# KiCad board GPDI_ULX3S_panel.kicad_pcb (continued)
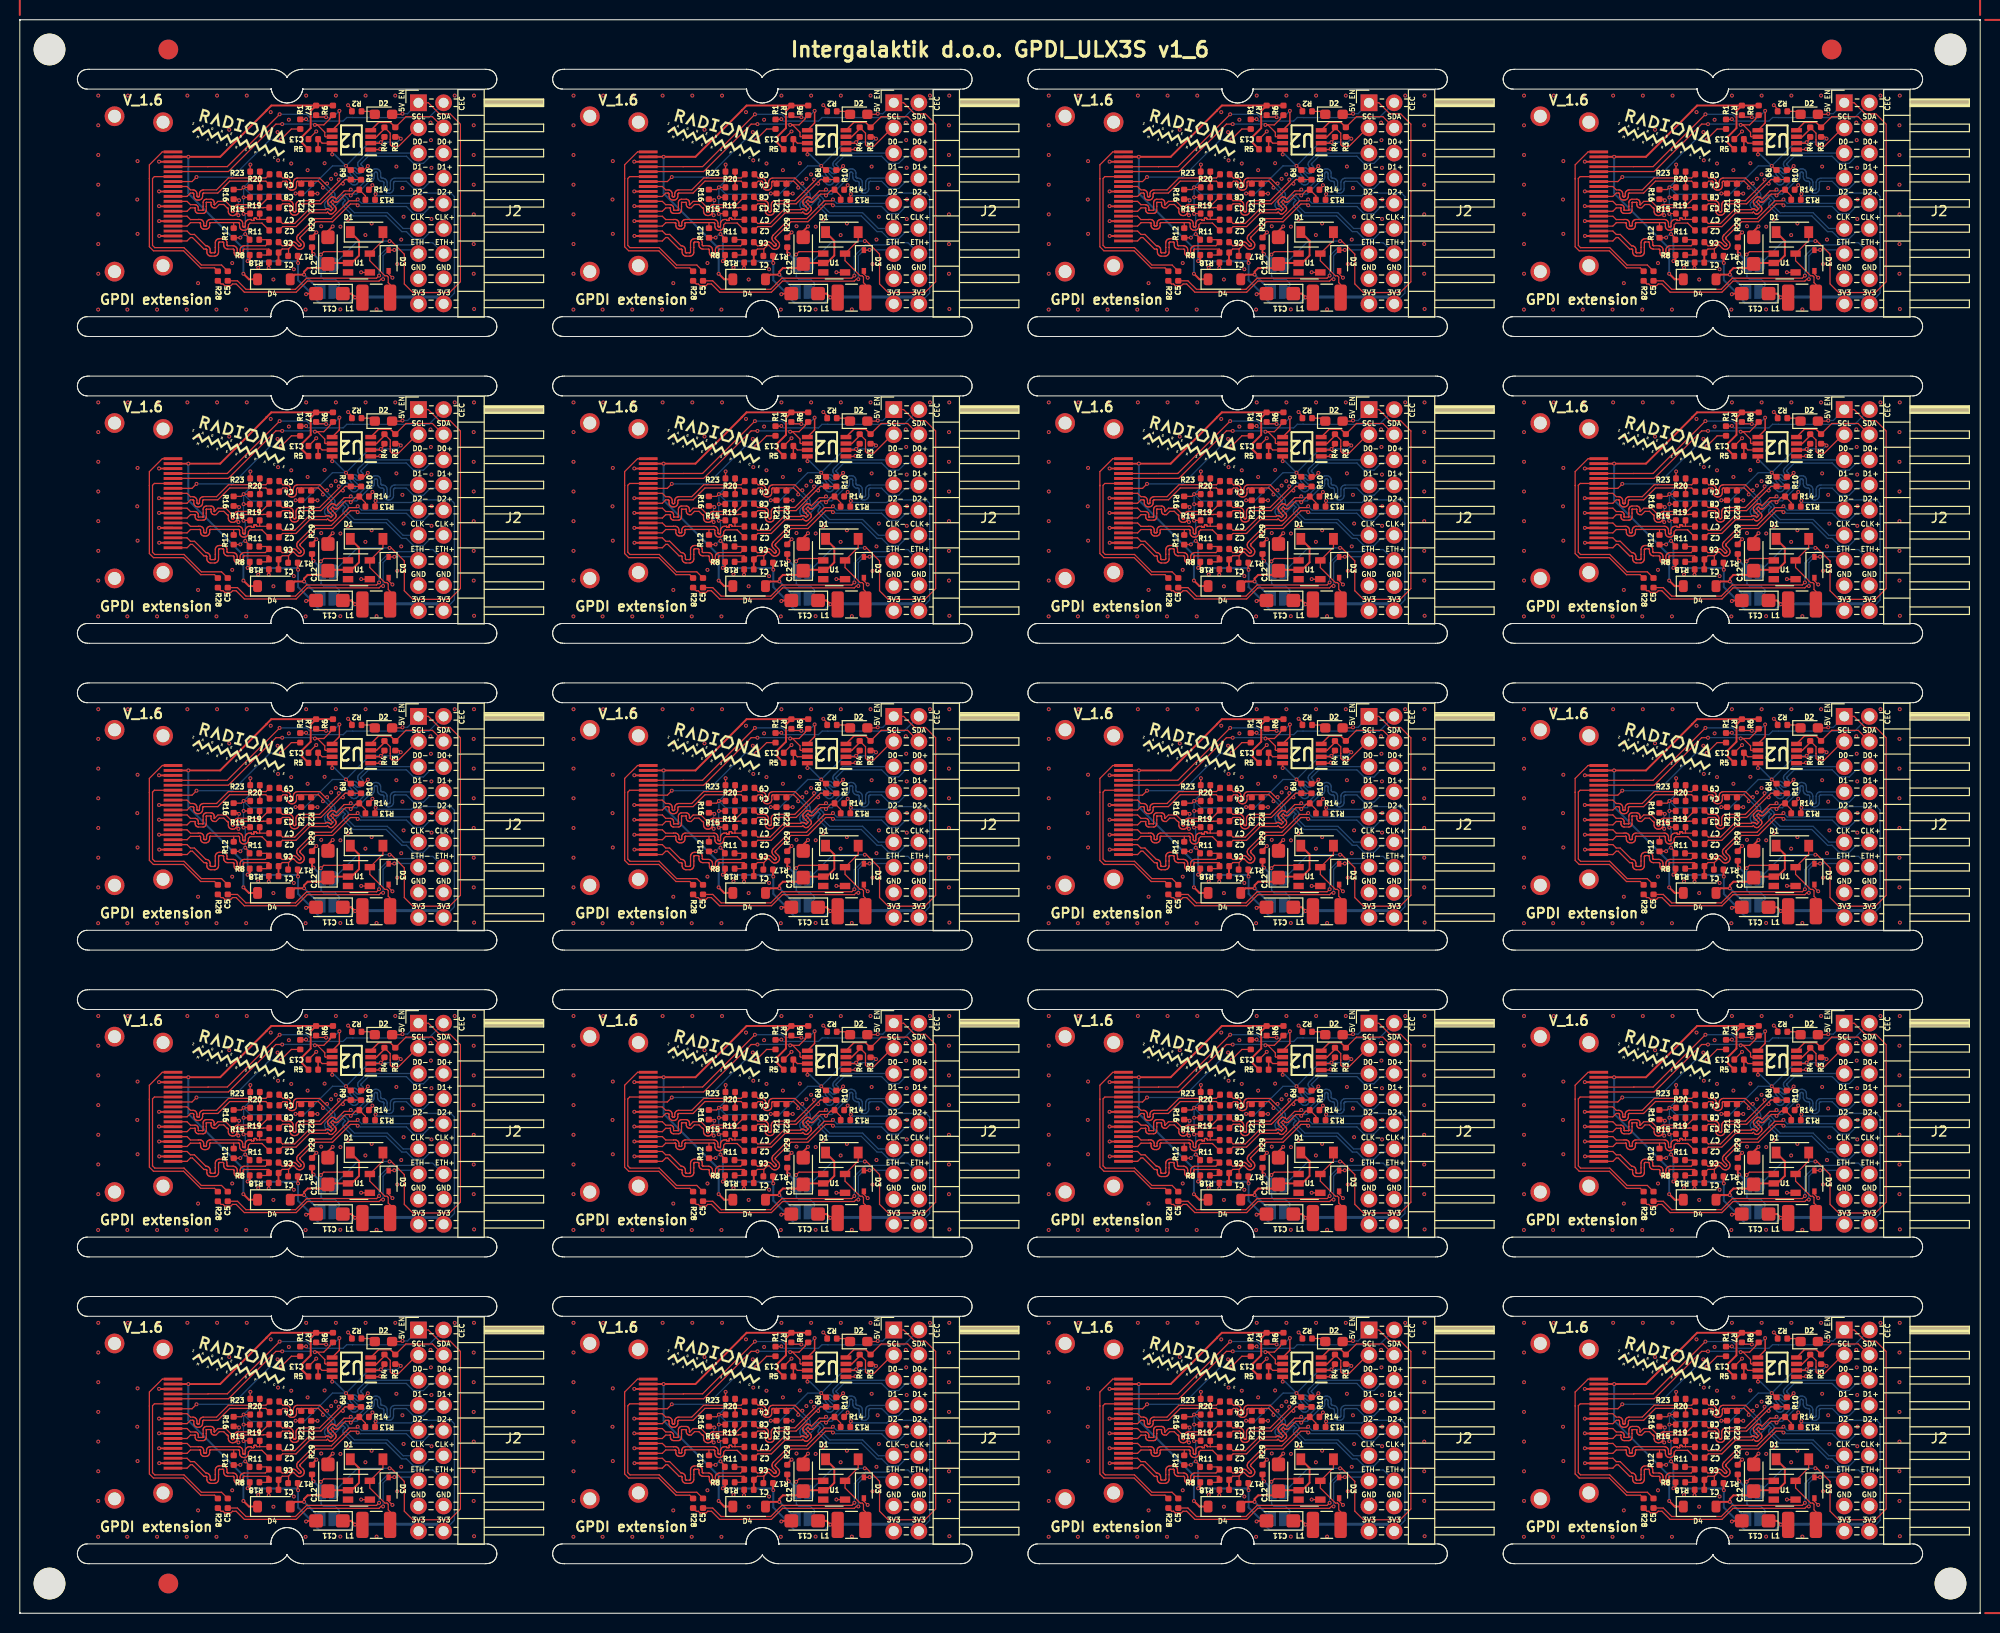
[diagram p0: board, top side]
## Routing (per net, layer and track width the routed paths; a pad name or vN(x,y) marks a point on that pad's centre or on a via; arc(x,y) is an arc through that point) (continued)
Board_3-GPDI_D2+: length 22.7
  Top w0.127: R17#7.2 171.14,137.19 171.14,137.84 ; 171.14,137.84 170.5,137.84 C1#5.1 ; 171.14,137.84 171.49,138.19 171.51,138.21 171.54,138.22 171.57,138.23 171.6,138.23 171.63,138.22 171.66,138.21 171.69,138.19 171.95,137.92 172.03,137.86 172.12,137.82 172.21,137.79 172.31,137.79 172.4,137.82 172.49,137.86 172.57,137.92 172.6,137.96 172.67,138.03 172.71,138.12 172.73,138.21 172.73,138.31 172.71,138.41 172.67,138.49 172.6,138.57 172.34,138.84 172.32,138.86 172.3,138.89 172.3,138.92 172.3,138.95 172.3,138.98 172.32,139.01 172.34,139.04 173.89,140.59 175.59,140.59 177.39,142.39 177.99,142.39 v1(178.12,142.25)
  Top w0.2: C1#5.1 170.13,137.47 R18#20.1
  Bottom w0.127: v1(178.12,142.25) 178.27,142.25 178.38,142.14 183.04,142.14 183.76,141.41 184.76,141.41 185.48,142.14 186.48,142.14 J2#8.10
Board_3-GPDI_D2-: length 17.8
  Top w0.127: v1(178.12,142.85) 177.99,142.71 177.26,142.71 175.46,140.91 173.76,140.91 172.09,139.24 172.03,139.17 171.99,139.08 171.97,138.98 171.97,138.89 171.99,138.79 172.03,138.71 172.09,138.63 172.36,138.36 172.38,138.34 172.39,138.31 172.4,138.28 172.4,138.25 172.39,138.22 172.38,138.19 172.36,138.16 172.34,138.14 172.31,138.13 172.28,138.12 172.25,138.12 172.21,138.13 172.19,138.14 172.16,138.16 171.89,138.43 171.82,138.49 171.73,138.53 171.64,138.56 171.54,138.56 171.44,138.53 171.36,138.49 171.28,138.43 171.01,138.16 170.5,138.16 C6#10.1
  Bottom w0.127: v1(178.12,142.85) 178.52,142.45 J2#8.9
Board_3-GPDI_ETH+: length 25.7
  Top w0.127: v1(180.29,135.15) 180.03,134.89 172.97,134.89 171.84,133.77 166.84,133.77 165.98,134.62 C5#10.1
  Bottom w0.127: v1(180.29,135.15) 180.29,137.13 181.41,138.25 183.65,138.25 183.87,138.47 185.71,138.47 J2#8.14
Board_3-GPDI_ETH-: length 24.8
  Top w0.127: v1(180.69,134.79) 180.48,134.79 180.29,134.6 173.03,134.6 171.91,133.48 166.68,133.48 165.85,134.31 165.48,134.31 165.31,134.14 164.69,134.14 164.52,134.31 164.32,134.31 R28#8.2 ; v1(181.82,137.75) 181.8,137.72 D3#11.1
  Bottom w0.127: v1(180.69,134.79) 180.69,134.79 180.69,137.16 181.27,137.75 v1(181.82,137.75) 183.89,137.75 J2#8.13
Board_3-GPDI_SCL: length 21.1
  Top w0.127: U2#4.6 174.87,149.18 174.8,149.25 174.8,149.63 174.05,150.38 v1(173.8,150.38) 174.7,150.38 175.32,151 175.32,151.06 R6#9.2 ; P1#6.15 159.48,145.67 165.07,145.67 169.86,150.46 v1(170.5,150.46)
  Bottom w0.127: v1(170.5,150.46) 170.51,150.47 173.71,150.47 v1(173.8,150.38)
Board_3-GPDI_SDA: length 22.8
  Top w0.127: P1#6.16 163.01,146.15 163.02,146.17 164.96,146.17 v1(170.24,151.45) ; v1(174.93,151.16) 174.91,151.18 174.11,151.18 R7.2
  Top w0.15: v1(176.27,151.8) 176.27,150.57 U2#4.5
  Bottom w0.127: v1(170.24,151.45) 172.97,151.45 173.25,151.17 174.92,151.17 v1(174.93,151.16) 174.99,151.1 175.58,151.1 v1(176.27,151.8)
Board_3-Net-(D1-A): length 8.1
  Top w0.127: D1#17.2 180.67,138.7 U1#14.5 179.35,136.66 180.87,135.13 181.08,135.13 181.21,135.01 181.21,134.44 181.4,134.25 L1#3.2
Board_3-Net-(D1-K): length 13.2
  Top w0.2: D1#17.1 178.26,138.66 178.26,137.18 177.51,136.43 U1#14.2 175.22,136.43 C12#7.1 174.7,135.91 173.07,135.91 172.71,135.55 v1(172.71,135.25) 171.78,135.25 D4#11.2
  Bottom w0.2: v1(172.71,135.25) 174.37,133.59 JP2#5.1
Board_3-Net-(D2-K): length 1.5
  Top w0.127: R2#15.1 179.55,151.75 D2#17.1
Board_3-Net-(U2-VREF2): length 2.6
  Top w0.127: C13#20.1 174.53,148.53 U2#4.7
  Top w0.15: R5#9.2 C13#20.1
Board_3-PMOD_SCL: length 8.1
  Top w0.127: 183.88,149.69 J2#8.3 184.11,150.07 182.25,148.21 181.59,148.21 181.41,148.38 181.41,148.88 181.41,148.88 181.41,149.55 R4#16.2
  Top w0.15: U2#4.3 180.03,149.18 180.82,149.98 R4#16.2
Board_3-PMOD_SDA: length 8.8
  Top w0.127: J2#8.4 185.67,151.21 183,151.21 R3.2
  Top w0.15: R3.2 181.43,150.63 180.24,150.63 U2#4.4
Board_4-5V_ENABLE: length 54.8
  Top w0.127: v1(38.65,120.51) 38.59,120.45 D2#2.2 ; U1#18.1 32.96,106.57 30.7,106.57 v1(30.41,106.28) ; 39.8,121.15 J2#18.1 41.26,121.61 42.39,120.49 43.46,120.49 44.5,119.45 44.5,103.53 43.41,102.44 39.7,102.44 38.83,103.31 38.83,106.32 37.51,107.64 v1(37.34,107.64)
  Top w0.2: R29#8.1 29.51,106.48 v1(29.66,106.33)
  Bottom w0.127: J2#18.1 39.16,120.51 v1(38.65,120.51) ; v1(30.41,106.28) 30.41,106.01 30.42,106 JP1#12.2 30.43,105.25 30.43,104.03 30.44,104.03 30.68,103.79 31.86,103.79 32.26,103.39 32.26,103.13 JP2#18.2 ; v1(37.34,107.64) 34.12,107.64 JP1#12.1
  Bottom w0.2: v1(29.66,106.33) 30.42,105.57 JP1#12.2
  Bottom w0.5: JP1#12.2 JP1#12.1
Board_4-+3V3: length 87.4
  Top w0.127: v1(32.94,115.24) 33.36,114.82 R9#7.1 ; R19#9.1 v1(22.6,112.06) ; v1(35.93,112.38) 35.88,112.33 R13#11.1 ; v1(36.47,117.63) 36.82,117.99 R4#12.1 ; R3#14.1 38.3,118.17 v1(38.47,117.99) ; v1(22.27,107.99) 22.26,107.97 R12#4.1 ; R16#5.1 22.38,112.85 v1(22.6,113.07) R20#14.1 ; v1(23.29,115.37) 23.27,115.35 R23.1 ; L1#20.1 33.88,101.92 v1(33.86,101.95) ; v1(22.59,110.39) 22.62,110.42 R15#10.1 ; v1(22.77,108.35) 23.21,107.91 R11#19.1 ; v1(27.85,112.45) R21#13.1
  Top w0.15: U2.2 36.37,117.53 v1(36.47,117.63) ; U2.8 31.54,116.41 v1(31.55,116.4)
  Top w0.2: C11#20.1 33.48,102.33 v1(33.86,101.95) ; v1(23.01,105.62) 23.23,105.84 R8#19.1 ; R17#15.1 28.07,105.46 v1(28.1,105.43)
  Bottom w0.127: 42.8,101.3 43.89,102.38 43.89,112.14 43.54,112.5 39.83,112.5 39.57,112.23 36.08,112.23 v1(35.93,112.38) ; v1(22.6,113.07) 23.3,112.37 27.77,112.37 v1(27.85,112.45) 28.79,112.45 31.58,115.24 v1(32.94,115.24) 35.34,117.63 v1(36.47,117.63) 38.12,117.63 v1(38.47,117.99) ; v1(22.6,113.07) v1(22.6,112.06) 22.59,112.05 v1(22.59,110.39) 22.77,110.22 v1(22.77,108.35) 22.63,108.35 v1(22.27,107.99) ; v1(22.6,113.07) 23.29,113.75 v1(23.29,115.37)
  Bottom w0.15: v1(31.55,116.4) 31.78,116.4 v1(32.94,115.24)
  Bottom w0.2: v1(22.77,108.35) 23.01,108.11 v1(23.01,105.62) 23.03,105.6 27.93,105.6 v1(28.1,105.43) 28.1,103.68 29.65,102.14 29.65,102 30.24,101.41 33.32,101.41 v1(33.86,101.95)
  Bottom w0.3: v1(33.86,101.95) 33.9,101.99 42.11,101.99 42.8,101.3
Board_4-+5V: length 39.3
  Top w0.2: R7#13.1 25.4,121.33 24.92,120.85 24.92,120.83 20.24,116.15 v1(17.02,116.15) P1#12.18 ; R7#13.1 R6#12.1 ; R7#13.1 29.38,120.79 29.38,119.06 28.53,118.2 28.53,117.55 R5#10.1 ; D4#16.1 23.14,103.78 v1(22.58,104.34)
  Bottom w0.2: v1(22.58,104.34) 22.58,106.9 17.02,112.46 v1(17.02,116.15)
Board_4-/CEC: length 15.1
  Top w0.127: v1(26.37,117.91) 27.43,118.97 R1#15.1 ; P1#12.13 17.39,113.65 v1(17.85,114.11)
  Bottom w0.127: v1(26.37,117.91) 25.28,117.91 21.48,114.11 v1(17.85,114.11)
Board_4-/CLK+: length 12.1
  Top w0.127: P1#12.10 16.89,112.15 17.24,112.5 17.45,112.5 17.48,112.49 17.51,112.48 17.53,112.47 17.55,112.45 17.56,112.43 17.57,112.4 17.57,112.38 17.57,112.19 17.58,112.1 17.61,112.02 17.66,111.94 17.73,111.87 17.8,111.82 17.89,111.79 17.98,111.78 18.05,111.78 18.14,111.79 18.23,111.82 18.31,111.87 18.37,111.94 18.42,112.02 18.45,112.1 18.46,112.19 18.46,112.38 18.47,112.4 18.48,112.43 18.49,112.45 18.51,112.47 18.53,112.48 18.55,112.49 18.58,112.5 20,112.5 21.2,113.7 24.85,113.7 C4#13.2
  Top w0.15: R20#14.2 24.24,113.67
Board_4-/CLK-: length 12.2
  Top w0.127: 24.26,114.02 24.85,114.02 C9#10.2 ; 24.26,114.02 21.07,114.02 19.87,112.81 18.56,112.81 18.46,112.8 18.38,112.77 18.3,112.72 18.23,112.66 18.19,112.58 18.16,112.49 18.14,112.4 18.14,112.22 18.14,112.19 18.13,112.17 18.12,112.15 18.1,112.13 18.08,112.11 18.05,112.1 18.03,112.1 18.01,112.1 17.98,112.1 17.96,112.11 17.93,112.13 17.92,112.15 17.9,112.17 17.89,112.19 17.89,112.22 17.89,112.4 17.88,112.49 17.85,112.58 17.8,112.66 17.74,112.72 17.66,112.77 17.57,112.8 17.48,112.81 17.24,112.81 16.89,113.15 P1#12.12 ; 24.26,114.02 24.24,114.03 R23.2
Board_4-/D0+: length 15.7
  Top w0.127: 21.86,110.38 21.95,110.38 v1(22.08,110.25) ; 21.86,110.38 21.79,110.31 21.71,110.26 21.62,110.23 21.53,110.22 21.48,110.22 21.38,110.23 21.3,110.26 21.22,110.31 21.15,110.38 21.1,110.46 21.07,110.55 21.06,110.64 21.06,110.88 21.05,110.91 21.04,110.93 21.03,110.96 21.01,110.98 20.99,110.99 20.96,111 20.93,111.01 20.6,111.34 20.14,111.34 19.8,111 19.65,111 19.58,111 19.5,111.03 19.44,111.07 19.39,111.12 19.35,111.19 19.32,111.26 19.31,111.33 19.31,111.51 19.31,111.52 19.31,111.53 19.3,111.54 19.3,111.54 19.29,111.55 19.28,111.55 19.27,111.55 18.87,111.55 18.86,111.55 18.85,111.55 18.85,111.54 18.84,111.54 18.84,111.53 18.83,111.52 18.83,111.51 18.83,111.15 18.83,110.78 18.82,110.7 18.8,110.63 18.76,110.57 18.7,110.51 18.64,110.47 18.57,110.45 18.49,110.44 18.05,110.44 17.97,110.45 17.9,110.47 17.84,110.51 17.79,110.57 17.75,110.63 17.72,110.7 17.71,110.78 17.71,110.96 17.71,110.97 17.71,110.97 17.7,110.98 17.7,110.99 17.69,110.99 17.68,110.99 17.67,111 17.24,111 16.89,110.65 P1#12.7 ; 21.86,110.38 21.91,110.46 21.94,110.55 21.95,110.64 21.95,110.88 21.95,110.91 21.96,110.93 21.98,110.96 22,110.98 22.02,110.99 22.05,111 22.08,111.01 22.15,111.01 22.18,111 22.2,110.99 22.23,110.98 22.25,110.96 22.26,110.93 22.27,110.91 22.28,110.88 22.28,110.87 22.28,110.84 22.29,110.82 22.3,110.79 22.32,110.77 22.35,110.76 22.37,110.75 22.4,110.75 22.43,110.75 22.46,110.76 22.48,110.77 22.5,110.79 22.52,110.82 22.53,110.84 22.53,110.87 22.53,110.88 22.53,110.91 22.54,110.93 22.56,110.96 22.58,110.98 22.6,110.99 22.63,111 22.66,111.01 24.57,111.01 24.59,111.03 C3#18.2 ; R16#5.2 22.03,111.88 v1(22.15,111.76)
  Bottom w0.127: v1(22.15,111.76) 22.08,111.7 v1(22.08,110.25)
Board_4-/D0-: length 14.1
  Top w0.127: P1#12.9 16.89,111.65 17.24,111.31 17.69,111.31 17.77,111.31 17.84,111.28 17.9,111.24 17.96,111.19 18,111.12 18.02,111.05 18.03,110.98 18.03,110.8 18.03,110.79 18.03,110.78 18.04,110.77 18.05,110.77 18.05,110.76 18.06,110.76 18.07,110.76 18.47,110.76 18.48,110.76 18.49,110.76 18.5,110.77 18.5,110.77 18.51,110.78 18.51,110.79 18.51,110.8 18.51,111.15 18.51,111.15 18.51,111.53 18.52,111.61 18.55,111.68 18.59,111.74 18.64,111.8 18.7,111.84 18.78,111.86 18.85,111.87 19.29,111.87 19.37,111.86 19.44,111.84 19.51,111.8 19.56,111.74 19.6,111.68 19.62,111.61 19.63,111.53 19.63,111.35 19.63,111.34 19.64,111.34 19.64,111.33 19.65,111.32 19.65,111.32 19.66,111.32 19.67,111.31 20.01,111.65 20.8,111.65 21.28,111.17 21.33,111.09 21.37,111 21.38,110.91 21.38,110.67 21.38,110.64 21.39,110.61 21.4,110.59 21.42,110.57 21.45,110.55 21.48,110.54 21.5,110.54 21.53,110.54 21.56,110.55 21.58,110.57 21.6,110.59 21.62,110.61 21.63,110.64 21.63,110.67 21.63,110.91 21.64,111 21.67,111.09 21.72,111.17 21.79,111.23 21.87,111.28 21.96,111.31 22.05,111.33 24.39,111.33 C8#7.2 25.13,112.06
  Top w0.15: R19#9.2 24.22,111.34 24.2,111.33
Board_4-/D1+: length 12.6
  Top w0.127: P1#12.4 16.89,109.15 17.24,109.5 18.15,109.5 18.16,109.51 18.18,109.5 18.2,109.5 18.22,109.49 18.24,109.47 18.25,109.45 18.25,109.43 18.26,109.41 18.26,109.23 18.27,109.14 18.29,109.06 18.34,108.99 18.4,108.93 18.48,108.88 18.56,108.85 18.64,108.84 18.79,108.84 18.87,108.85 18.95,108.88 19.03,108.93 19.09,108.99 19.14,109.06 19.16,109.14 19.17,109.23 19.17,109.41 19.18,109.43 19.18,109.45 19.19,109.47 19.21,109.49 19.23,109.5 19.25,109.5 19.27,109.51 22.07,109.51 22.1,109.5 22.13,109.49 22.15,109.48 22.17,109.46 22.18,109.43 22.19,109.41 22.2,109.38 22.2,109.15 22.21,109.05 22.24,108.97 22.29,108.89 22.36,108.82 22.44,108.77 22.52,108.74 22.62,108.73 22.67,108.73 22.76,108.74 22.85,108.77 22.93,108.82 23,108.89 23.05,108.97 23.08,109.05 23.09,109.15 23.09,109.29 23.26,109.46 24.45,109.46 C2#11.2 ; R12#4.2 21.6,109.49
Board_4-/D1-: length 12.8
  Top w0.127: 24.23,109.83 23.97,109.83 23.95,109.83 23.94,109.83 23.92,109.84 23.91,109.85 23.9,109.87 23.9,109.88 23.9,109.91 23.89,109.93 23.88,109.94 23.87,109.96 23.86,109.96 23.84,109.97 23.82,109.97 23.72,109.97 23.7,109.97 23.68,109.96 23.67,109.96 23.66,109.94 23.65,109.93 23.65,109.91 23.64,109.9 23.64,109.78 23.64,109.76 23.64,109.75 23.63,109.74 23.62,109.74 23.62,109.73 23.6,109.73 23.59,109.73 23.44,109.73 23.43,109.73 23.42,109.73 23.41,109.74 23.4,109.74 23.39,109.75 23.39,109.76 23.39,109.79 23.38,109.8 23.38,109.81 23.37,109.81 23.36,109.82 23.35,109.82 23.34,109.83 23.19,109.83 23.1,109.81 23.01,109.78 22.93,109.73 22.86,109.67 22.81,109.59 22.78,109.5 22.77,109.41 22.77,109.17 22.77,109.15 22.76,109.12 22.74,109.09 22.72,109.07 22.7,109.06 22.67,109.05 22.64,109.05 22.62,109.05 22.59,109.06 22.56,109.07 22.54,109.09 22.53,109.12 22.52,109.15 22.52,109.17 22.52,109.41 22.51,109.5 22.47,109.59 22.42,109.67 22.36,109.73 22.28,109.78 22.19,109.81 22.1,109.83 19.24,109.83 19.16,109.82 19.08,109.79 19,109.74 18.94,109.68 18.89,109.61 18.87,109.52 18.86,109.44 18.86,109.25 18.85,109.23 18.85,109.21 18.84,109.2 18.82,109.18 18.8,109.17 18.78,109.16 18.76,109.16 18.67,109.16 18.65,109.16 18.63,109.17 18.61,109.18 18.59,109.2 18.58,109.21 18.58,109.23 18.57,109.25 18.57,109.44 18.56,109.52 18.54,109.61 18.49,109.68 18.43,109.74 18.35,109.79 18.27,109.82 18.19,109.83 18.03,109.83 18.02,109.81 17.24,109.81 16.89,110.15 P1#12.6 ; 24.23,109.83 25.16,109.83 C7#20.2 ; 24.23,109.83 R15#10.2
Board_4-/D2+: length 15
  Top w0.127: R8#19.2 24.92,106.23 C1#2.2 25.17,106.8 25.14,106.83 22.65,106.83 22.62,106.82 22.6,106.79 22.58,106.77 22.57,106.74 22.57,106.71 22.57,106.5 22.56,106.4 22.52,106.31 22.47,106.23 22.4,106.16 22.32,106.1 22.23,106.07 22.13,106.06 22.08,106.06 21.98,106.07 21.89,106.1 21.81,106.16 21.74,106.23 21.69,106.31 21.66,106.4 21.64,106.5 21.64,106.71 21.64,106.74 21.63,106.77 21.61,106.79 21.59,106.82 21.56,106.83 21.01,106.83 20.91,106.84 20.83,106.88 20.75,106.92 20.68,106.99 20.63,107.07 20.6,107.16 20.59,107.25 20.59,107.44 20.59,107.47 20.58,107.49 20.57,107.51 20.55,107.53 20.53,107.54 20.51,107.55 20.48,107.55 20.18,107.55 20.16,107.55 20.14,107.54 20.12,107.53 20.1,107.51 20.09,107.49 20.08,107.47 20.07,107.44 20.07,107 20.07,107 20.07,106.53 20.06,106.44 20.03,106.35 19.98,106.27 19.92,106.21 19.84,106.16 19.75,106.13 19.66,106.12 19.31,106.12 19.21,106.13 19.13,106.16 19.05,106.21 18.98,106.27 18.93,106.35 18.9,106.44 18.89,106.53 18.89,106.73 18.89,106.75 18.88,106.77 18.87,106.79 18.85,106.81 18.83,106.82 18.81,106.83 18.78,106.83 18.6,106.83 17.43,108 17.24,108 16.89,107.65 P1#12.1
Board_4-/D2-: length 14.8
  Top w0.127: R11#19.2 24.91,107.78 C6#15.2 24.8,107.17 22.68,107.17 22.59,107.16 22.49,107.12 22.41,107.07 22.34,107 22.29,106.92 22.26,106.83 22.25,106.73 22.25,106.52 22.24,106.49 22.23,106.46 22.22,106.43 22.19,106.41 22.17,106.39 22.14,106.38 22.11,106.38 22.07,106.38 22.04,106.39 22.02,106.41 21.99,106.43 21.98,106.46 21.97,106.49 21.96,106.52 21.96,106.73 21.95,106.83 21.92,106.92 21.87,107 21.8,107.07 21.72,107.12 21.63,107.16 21.53,107.17 21.03,107.17 21.01,107.17 20.99,107.18 20.97,107.19 20.95,107.21 20.94,107.23 20.93,107.25 20.92,107.27 20.92,107.47 20.91,107.56 20.88,107.65 20.83,107.73 20.77,107.79 20.69,107.84 20.6,107.87 20.51,107.88 20.16,107.88 20.06,107.87 19.98,107.84 19.9,107.79 19.83,107.73 19.78,107.65 19.75,107.56 19.74,107.47 19.74,107 19.74,106.56 19.74,106.54 19.73,106.51 19.72,106.49 19.7,106.48 19.68,106.46 19.66,106.45 19.63,106.45 19.33,106.45 19.31,106.45 19.29,106.46 19.26,106.48 19.25,106.49 19.23,106.51 19.23,106.54 19.22,106.56 19.22,106.75 19.21,106.84 19.18,106.93 19.13,107.01 19.07,107.08 18.99,107.13 18.9,107.16 18.81,107.17 18.78,107.17 17.64,108.31 17.24,108.31 16.89,108.65 P1#12.3
Board_4-/ETH+: length 17.6
  Top w0.127: C5#2.2 20.38,105.22 18.34,105.22 16.58,106.98 13.63,106.98 13.4,107.2 13.4,113.97 13.59,114.15 P1#12.14
Board_4-/ETH-: length 19.2
  Top w0.127: 13.09,113.93 13.09,107.07 13.5,106.66 16.54,106.66 18.27,104.93 19.67,104.93 R28#20.1 ; 13.09,113.93 13.09,113.97 ; 13.09,113.93 13.09,115.35 14.39,116.65 P1#12.19
Board_4-GND: length 17.5
  Top w0.127: v1(35.61,113.29) 35.61,113.19 R14#4.2 ; v1(37.63,103.94) 37.25,104.33 D3#12.2 ; R2#20.2 33.54,120.98 v1(33.15,121.37) ; U1#18.4 34.49,104.47 v1(34.47,104.49) ; v1(35.15,115.22) 34.75,114.82 R10#6.2 ; C13#10.2 29.94,118.72 v1(29.94,118.72) ; v1(30.07,112.44) 30.07,112.44 R22#14.2
  Top w0.15: v1(36.4,116.94) 36.35,116.88 U2.1
  Top w0.2: P1#12.11 14.07,112.65 v1(14.06,112.66) ; P1#12.5 14.08,109.65 v1(14.07,109.66) ; v1(14.08,108.16) 14.08,108.15 P1#12.2 ; R29#8.2 29.51,108.08 v1(29.95,108.52) ; P1#12.8 14.08,111.15 v1(14.06,111.18) ; v1(25.14,104.93) 25.16,104.94 R18#6.2 ; v1(31.6,109.12) 31.12,108.64 C12#13.2 ; P1#12.17 14.07,115.65 v1(14.06,115.67) ; v1(28.91,102.27) 28.97,102.33 C11#20.2
  In1.Cu w0.5: 40.38,103.72 J2#18.15
  vias: v1(7.92,122.34) v1(7.92,119.34) v1(7.92,116.34) v1(7.92,113.34) v1(7.92,110.34) v1(7.92,107.34) v1(7.92,104.34) v1(7.91,100.72) v1(10.92,122.34) v1(10.86,100.72) v1(11.89,115.72) v1(11.86,111.84) v1(11.89,108.37) v1(13.92,122.34) v1(13.86,100.72) v1(16.92,122.34) v1(16.86,100.72) v1(18.02,118.97) v1(18,103.39) v1(19.92,122.34) v1(19.86,100.72) v1(21.15,118.89) v1(21.45,105.42) v1(22.92,122.34) v1(22.86,100.72) v1(24.08,104.94) v1(25.34,120.67) v1(25.61,103.76) v1(26.03,118.65) v1(26.08,115.8) v1(27.17,119.9) v1(27.41,115.48) v1(27.68,104.79) v1(28.92,122.34) v1(28.86,100.72) v1(29.07,114.81) v1(30.44,109.14) v1(30.78,115.51) v1(31.44,113.93) v1(31.92,122.34) v1(31.91,114.38) v1(32.38,109.1) v1(32.37,100.74) v1(33.14,109.81) v1(34.92,122.34) v1(34.9,108.25) v1(35.53,109.42) v1(36.03,100.74) v1(37.92,122.34) v1(38.03,115.17) v1(38.12,105.32) v1(38.52,107.79) v1(38.64,113) v1(38.76,110.1) v1(41.48,119.61) v1(41.52,117.84) v1(41.57,115.05) v1(41.6,111.85) v1(41.58,109.87) v1(43.92,122.34) v1(45.84,119.34) v1(45.84,116.34) v1(45.84,113.34) v1(45.84,110.34) v1(45.84,107.34) v1(45.84,104.34) v1(45.87,122.34) v1(45.88,100.78)
Board_4-GPDI_CEC: length 15.3
  Top w0.127: v1(28.91,119.96) 28.89,119.94 R1#15.2
  Bottom w0.127: v1(28.91,119.96) 29.1,119.77 32.66,119.77 33.02,120.13 33.6,120.13 33.61,120.12 41.31,120.12 J2#18.2
Board_4-GPDI_CLK+: length 24.8
  Top w0.127: 28.45,113.69 28.42,113.67 R21#13.2 ; 28.45,113.69 29.43,113.69 ; 28.45,113.69 28.09,113.69 28.06,113.69 28.03,113.68 28,113.66 27.98,113.64 27.96,113.61 27.95,113.58 27.95,113.55 27.95,113.22 27.94,113.12 27.9,113.03 27.85,112.95 27.78,112.88 27.7,112.83 27.61,112.8 27.51,112.79 27.46,112.79 27.36,112.8 27.27,112.83 27.19,112.88 27.12,112.95 27.07,113.03 27.04,113.12 27.03,113.22 27.03,113.55 27.02,113.58 27.01,113.61 27,113.64 26.97,113.66 26.95,113.68 26.92,113.69 26.89,113.69 26.57,113.69 C4#13.1 ; 29.43,113.69 30.16,113.69 30.62,113.23 v1(30.62,113.04) ; 29.43,113.69 R22#14.1
  Bottom w0.127: 42.8,108.92 42.48,108.6 41.48,108.6 40.76,107.87 39.76,107.87 39.04,108.6 38.58,108.6 36.99,110.19 33.66,110.19 32.73,111.12 32.68,111.18 32.65,111.25 32.63,111.32 32.63,111.39 32.65,111.47 32.68,111.53 32.73,111.59 32.85,111.72 32.86,111.72 32.86,111.73 32.86,111.74 32.86,111.75 32.86,111.75 32.86,111.76 32.85,111.77 32.67,111.95 32.66,111.96 32.65,111.96 32.65,111.96 32.64,111.96 32.63,111.96 32.63,111.96 32.62,111.95 31.59,110.93 31.51,110.86 31.42,110.82 31.32,110.8 31.22,110.8 31.12,110.82 31.03,110.86 30.95,110.93 30.91,110.97 30.85,111.05 30.8,111.14 30.78,111.24 30.78,111.34 30.8,111.44 30.85,111.53 30.91,111.61 31.46,112.16 31.48,112.19 31.5,112.22 31.5,112.26 31.5,112.29 31.5,112.33 31.48,112.36 31.46,112.39 30.81,113.04 v1(30.62,113.04)
Board_4-GPDI_CLK-: length 21
  Top w0.127: C9#10.1 26.57,114.01 26.91,114.01 27.01,114 27.1,113.97 27.18,113.92 27.25,113.85 27.3,113.77 27.34,113.68 27.35,113.58 27.35,113.25 27.35,113.21 27.36,113.18 27.38,113.16 27.4,113.14 27.43,113.12 27.46,113.11 27.49,113.1 27.52,113.11 27.55,113.12 27.57,113.14 27.6,113.16 27.61,113.18 27.62,113.21 27.63,113.25 27.63,113.58 27.64,113.68 27.67,113.77 27.72,113.85 27.79,113.92 27.87,113.97 27.96,114 28.06,114.01 30.29,114.01 30.84,113.46 v1(31.03,113.46)
  Bottom w0.127: 40.26,108.92 38.71,108.92 37.12,110.51 33.79,110.51 32.97,111.33 32.96,111.34 32.96,111.35 32.96,111.35 32.96,111.36 32.96,111.37 32.96,111.37 32.97,111.38 33.09,111.51 33.14,111.57 33.17,111.63 33.19,111.71 33.19,111.78 33.17,111.85 33.14,111.92 33.09,111.98 32.88,112.19 32.82,112.24 32.75,112.27 32.68,112.29 32.61,112.29 32.53,112.27 32.47,112.24 32.41,112.19 31.39,111.17 31.36,111.15 31.33,111.13 31.29,111.13 31.25,111.13 31.22,111.13 31.18,111.15 31.15,111.17 31.13,111.2 31.12,111.24 31.11,111.27 31.11,111.31 31.12,111.34 31.13,111.38 31.15,111.41 31.7,111.95 31.77,112.03 31.81,112.13 31.83,112.23 31.83,112.33 31.81,112.43 31.77,112.52 31.7,112.6 31.03,113.27 v1(31.03,113.46)
Board_4-GPDI_D0+: length 26.3
  Top w0.127: R10#6.1 34.46,113.85 R9#7.2 32.86,113.85 32.63,113.63 v1(32.63,113.44) 32.44,113.44 30.4,111.4 28.35,111.4 28.32,111.4 28.29,111.39 28.26,111.37 28.24,111.35 28.23,111.32 28.22,111.29 28.21,111.26 28.21,110.69 28.2,110.59 28.17,110.5 28.12,110.42 28.05,110.35 27.97,110.3 27.88,110.27 27.78,110.26 27.73,110.26 27.63,110.27 27.54,110.3 27.46,110.35 27.39,110.42 27.34,110.5 27.3,110.59 27.29,110.69 27.29,111.26 27.29,111.29 27.28,111.32 27.26,111.35 27.24,111.37 27.21,111.39 27.18,111.4 27.15,111.4 26.53,111.4 C3#18.1
  Bottom w0.127: J2#18.6 42.48,116.22 41.48,116.22 40.76,115.49 39.76,115.49 39.04,116.22 35.22,116.22 34.48,115.47 34.46,115.46 34.45,115.44 34.45,115.42 34.45,115.4 34.45,115.38 34.46,115.36 34.48,115.35 34.6,115.22 34.66,115.15 34.7,115.07 34.72,114.99 34.72,114.9 34.7,114.82 34.66,114.74 34.6,114.67 34.5,114.57 34.43,114.51 34.35,114.48 34.27,114.46 34.18,114.46 34.1,114.48 34.02,114.51 33.95,114.57 33.83,114.7 33.81,114.71 33.79,114.72 33.77,114.72 33.75,114.72 33.73,114.72 33.71,114.71 33.7,114.7 33.68,114.67 33.66,114.64 33.66,114.61 33.66,114.58 33.66,114.55 33.68,114.52 33.7,114.5 34.11,114.08 34.17,114.01 34.21,113.92 34.24,113.83 34.24,113.73 34.21,113.63 34.17,113.55 34.11,113.47 34.07,113.43 34,113.37 33.91,113.33 33.82,113.31 33.72,113.31 33.62,113.33 33.54,113.37 33.46,113.43 33.05,113.85 33.02,113.87 32.99,113.88 32.96,113.89 32.93,113.89 32.9,113.88 32.87,113.87 32.85,113.85 32.63,113.63 v1(32.63,113.44)
Board_4-GPDI_D0-: length 20.9
  Top w0.127: v1(32.22,113.86) 32.22,113.67 30.27,111.72 28.33,111.72 28.23,111.71 28.14,111.68 28.06,111.63 27.99,111.56 27.94,111.48 27.9,111.39 27.89,111.29 27.89,110.72 27.89,110.69 27.88,110.66 27.86,110.63 27.84,110.61 27.81,110.59 27.78,110.58 27.75,110.58 27.72,110.58 27.69,110.59 27.66,110.61 27.64,110.63 27.63,110.66 27.62,110.69 27.61,110.72 27.61,111.29 27.6,111.39 27.57,111.48 27.52,111.56 27.45,111.63 27.37,111.68 27.28,111.71 27.18,111.72 26.53,111.72 C8#7.1
  Bottom w0.127: J2#18.5 35.08,116.53 34.23,115.68 34.18,115.62 34.14,115.54 34.12,115.45 34.12,115.37 34.14,115.28 34.18,115.21 34.23,115.14 34.36,115.01 34.37,114.99 34.38,114.97 34.39,114.95 34.39,114.93 34.38,114.91 34.37,114.9 34.36,114.88 34.29,114.81 34.28,114.8 34.26,114.79 34.24,114.78 34.22,114.78 34.2,114.79 34.18,114.8 34.16,114.81 34.03,114.94 33.97,114.99 33.89,115.03 33.8,115.05 33.72,115.05 33.63,115.03 33.56,114.99 33.49,114.94 33.45,114.9 33.39,114.83 33.35,114.74 33.33,114.65 33.33,114.55 33.35,114.45 33.39,114.37 33.45,114.29 33.87,113.88 33.89,113.85 33.9,113.82 33.91,113.79 33.91,113.76 33.9,113.73 33.89,113.7 33.87,113.68 33.84,113.66 33.81,113.64 33.78,113.64 33.75,113.64 33.72,113.64 33.69,113.66 33.67,113.68 33.25,114.09 33.18,114.15 33.09,114.19 33,114.22 32.9,114.22 32.81,114.19 32.72,114.15 32.64,114.09 32.41,113.86 v1(32.22,113.86)
Board_4-GPDI_D1+: length 26.6
  Top w0.127: R13#11.2 34.91,112.21 R14#4.1 34.19,112.74 33.91,112.74 v1(33.42,112.25) 33.29,112.39 32.89,112.39 32.16,111.66 32.1,111.61 32.04,111.59 31.98,111.57 31.91,111.57 31.85,111.59 31.79,111.61 31.73,111.66 31.61,111.78 31.41,111.58 31.63,111.36 31.62,111.35 31.86,111.11 31.9,111.06 31.93,110.99 31.95,110.93 31.95,110.86 31.93,110.8 31.9,110.74 31.86,110.68 31.63,110.46 31.58,110.42 31.52,110.39 31.46,110.37 31.39,110.37 31.32,110.39 31.26,110.42 31.21,110.46 31.08,110.58 30.99,110.49 29.29,110.49 27.9,109.1 26.54,109.1 C2#11.1
  Bottom w0.127: 42.8,114 42.48,113.68 41.48,113.68 40.76,112.95 39.76,112.95 39.04,113.68 37.91,113.68 37.87,113.67 37.84,113.66 37.81,113.64 37.78,113.61 37.76,113.58 37.75,113.55 37.75,113.51 37.75,112.94 37.73,112.84 37.7,112.74 37.65,112.65 37.57,112.58 37.49,112.53 37.39,112.49 37.29,112.48 37.23,112.48 37.13,112.49 37.04,112.53 36.95,112.58 36.88,112.65 36.82,112.74 36.79,112.84 36.78,112.94 36.78,113.51 36.77,113.55 36.76,113.58 36.74,113.61 36.71,113.64 36.68,113.66 36.65,113.67 36.61,113.68 36.58,113.68 36.48,113.69 36.39,113.72 36.3,113.78 36.23,113.85 36.17,113.93 36.14,114.03 36.13,114.13 36.13,114.45 36.12,114.49 36.11,114.53 36.09,114.56 36.06,114.58 36.03,114.6 36,114.62 35.96,114.62 35.92,114.62 35.89,114.6 35.86,114.58 35.83,114.56 35.81,114.53 35.8,114.49 35.8,114.45 35.8,114.13 35.78,114.03 35.75,113.93 35.7,113.85 35.62,113.78 35.54,113.72 35.44,113.69 35.34,113.68 35.31,113.68 34.03,112.39 33.56,112.39 v1(33.42,112.25)
Board_4-GPDI_D1-: length 21
  Top w0.127: v1(33.42,112.85) 33.29,112.71 32.76,112.71 31.94,111.89 31.82,112.02 31.77,112.06 31.71,112.09 31.64,112.11 31.57,112.11 31.51,112.09 31.45,112.06 31.39,112.02 31.17,111.79 31.13,111.74 31.1,111.68 31.08,111.62 31.08,111.55 31.1,111.48 31.13,111.42 31.17,111.37 31.41,111.13 31.4,111.12 31.62,110.9 31.42,110.7 31.3,110.82 31.24,110.86 31.18,110.89 31.12,110.91 31.05,110.91 30.98,110.89 30.92,110.86 30.87,110.82 30.86,110.81 29.16,110.81 27.77,109.42 26.54,109.42 C7#20.1